# Altium PCB Power Distribution Board.PcbDoc (part 1 of 2)
Units mm, origin at the board's own origin, x right, y up, seen from the top; angles counter-clockwise.
Board outline 180 x 110 mm, 4 copper layers (Top Layer, L2-Ground, L3-Ground, Bottom Layer), stack 1.57 mm thick; 179 components, 104 nets, 579 pads, 258 vias.
Unrouted connection lines stored in the file: 42.
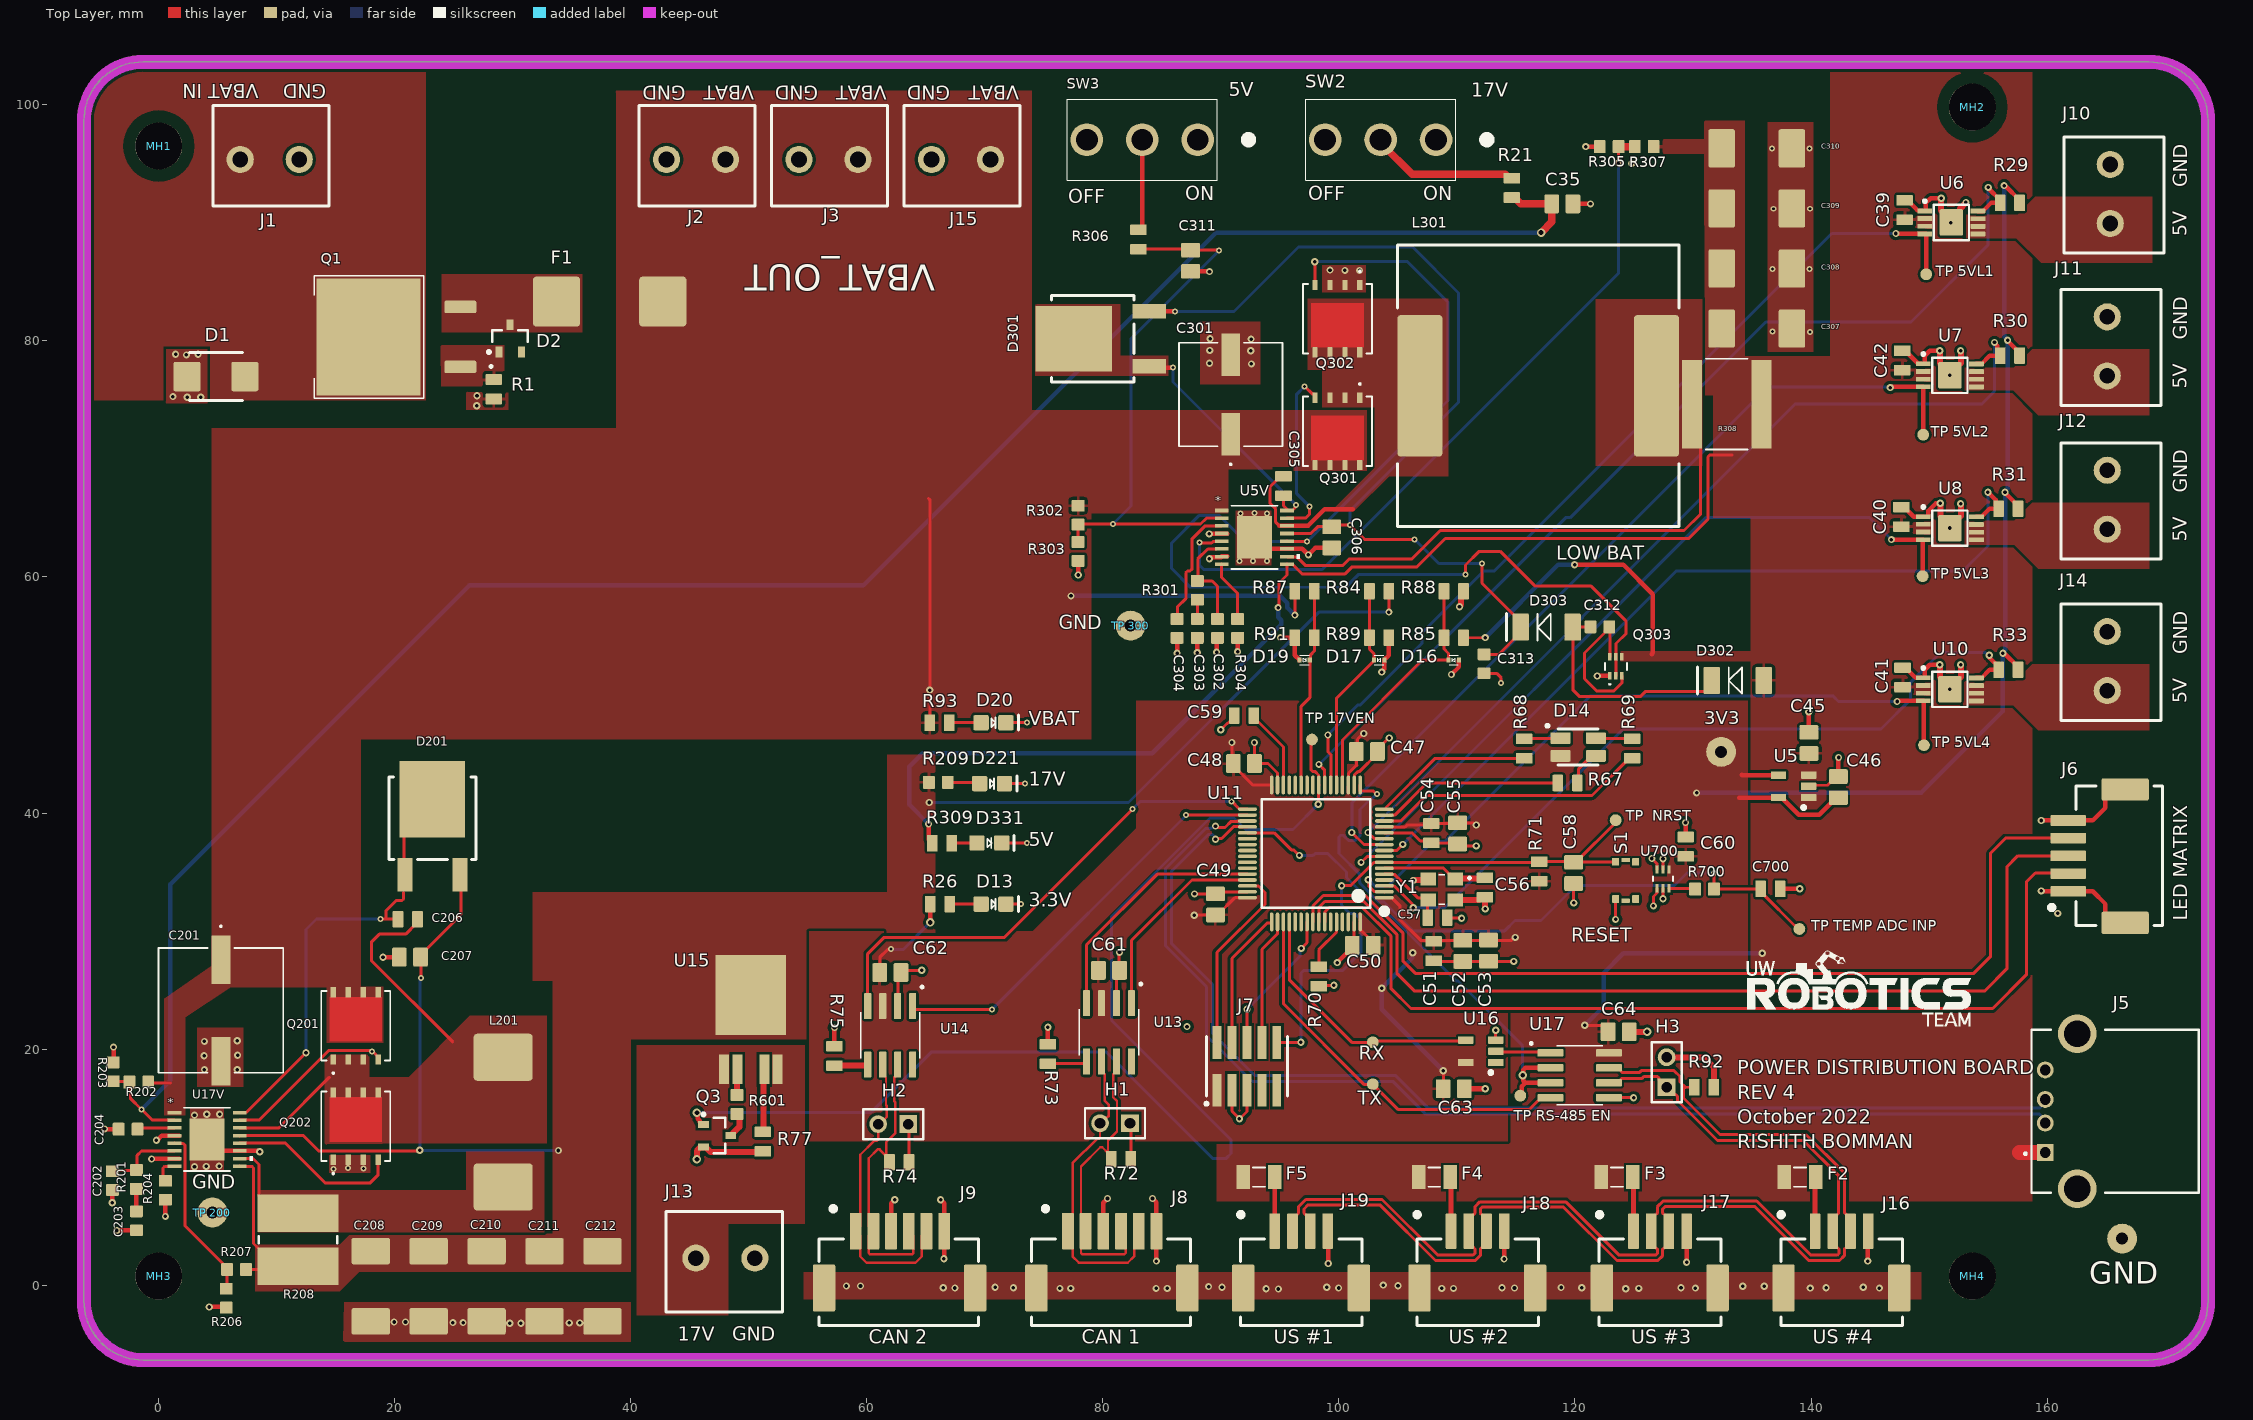
[diagram p0: Top Layer view]
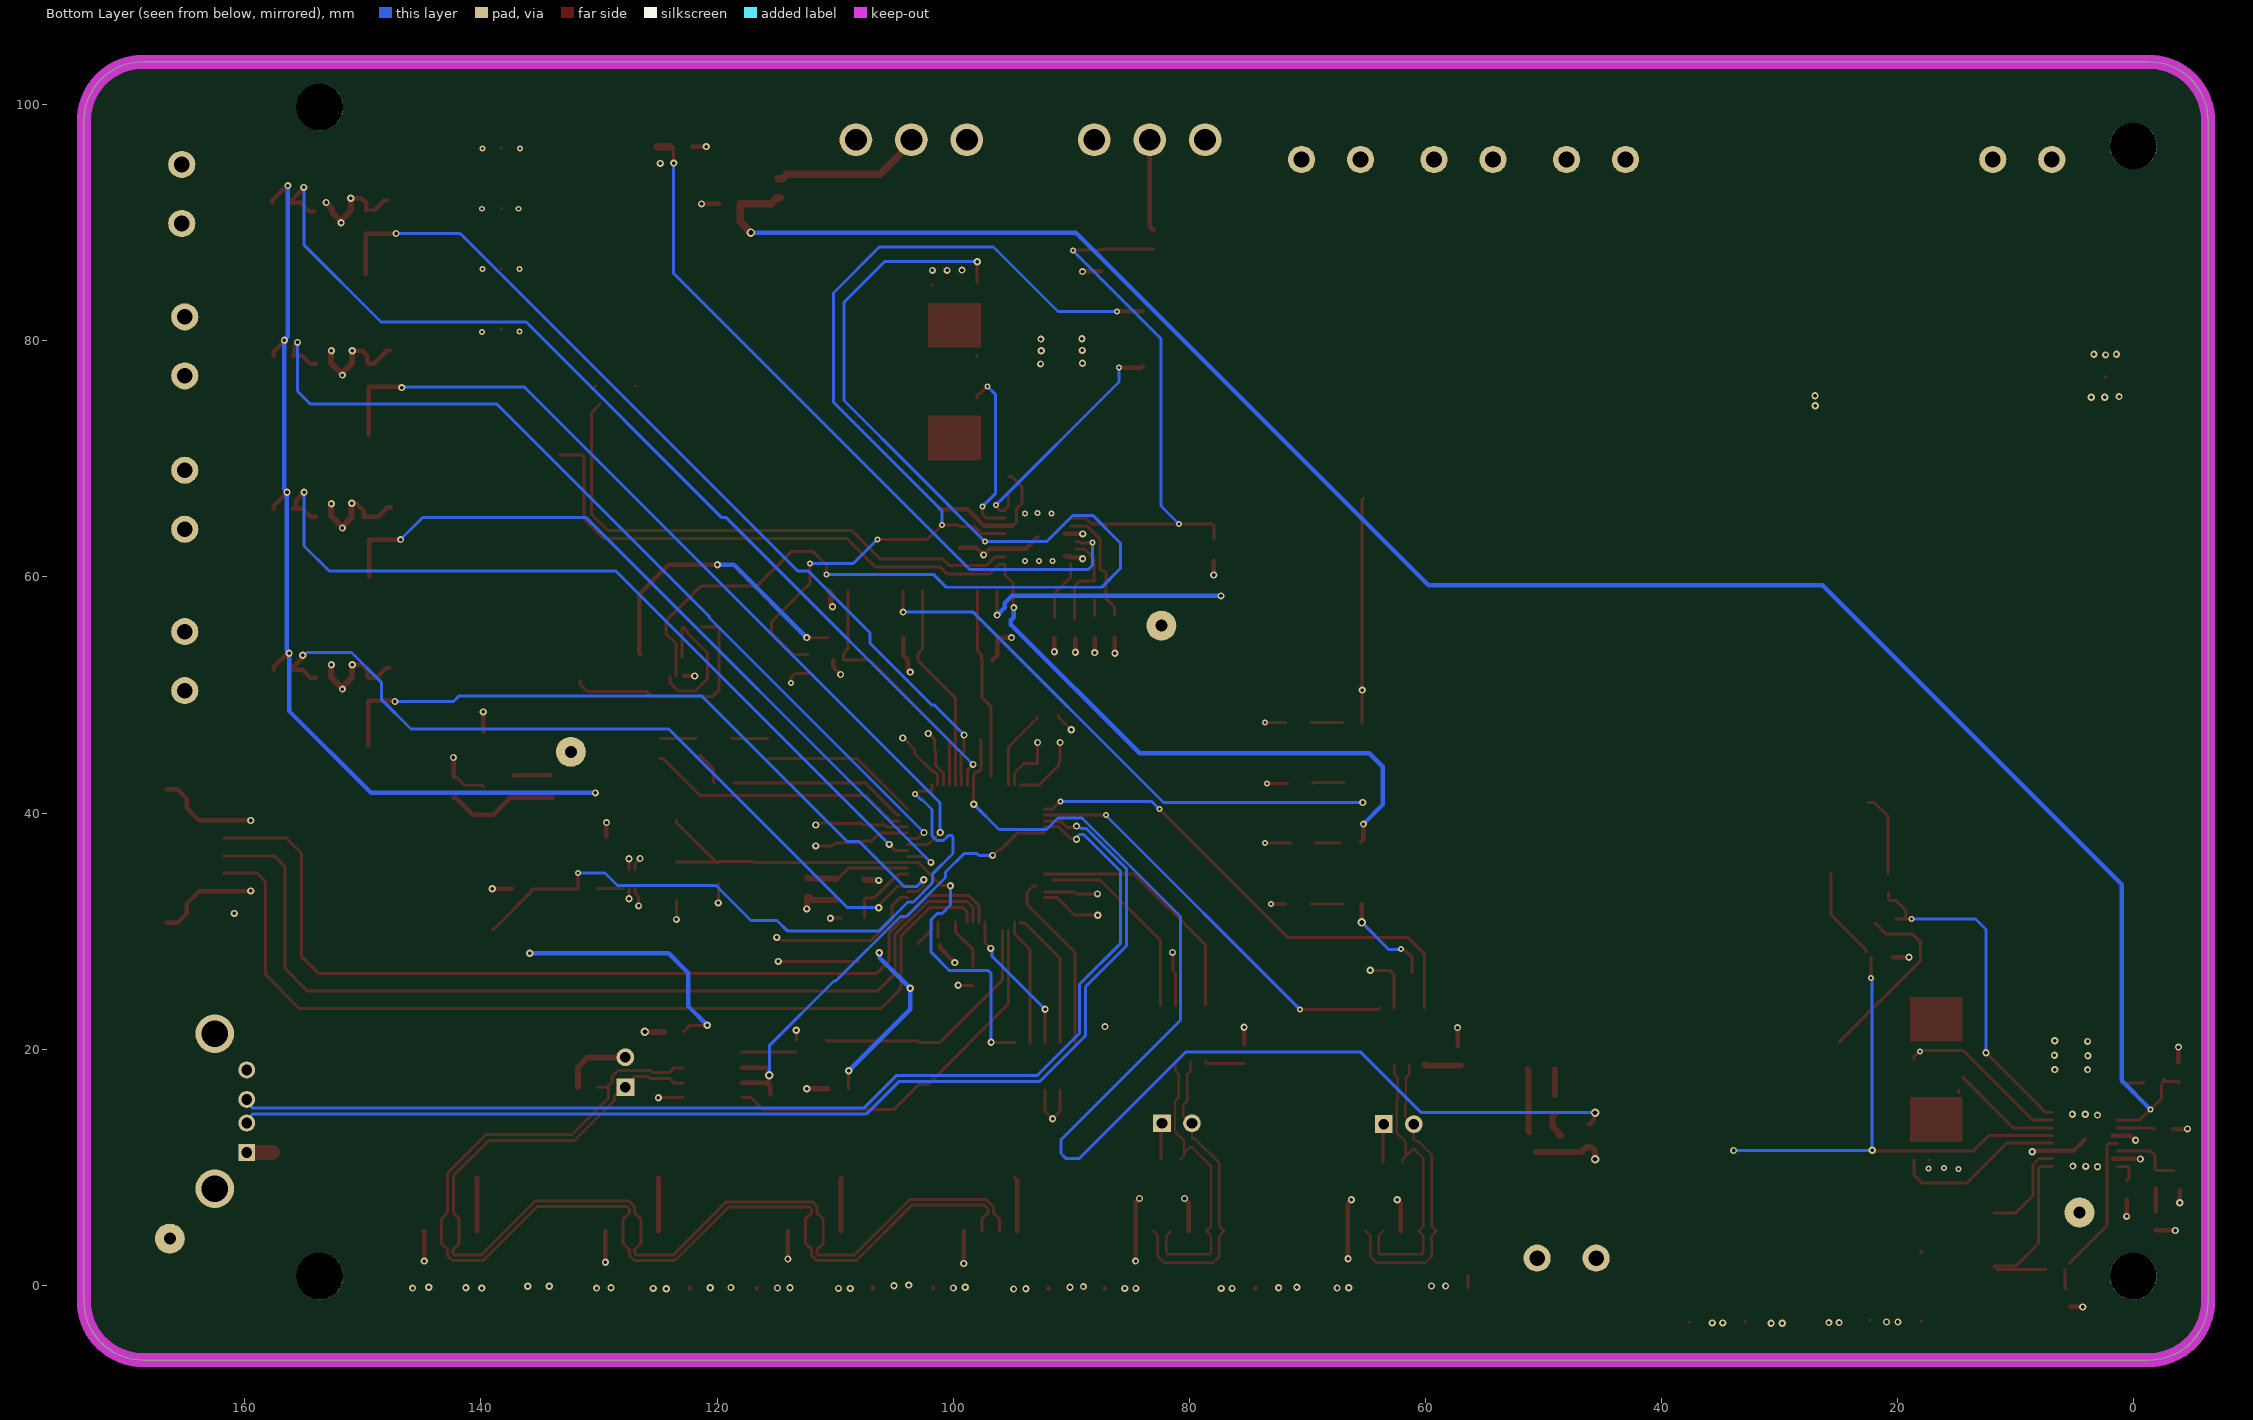
[diagram p1: Bottom Layer view, seen from below]
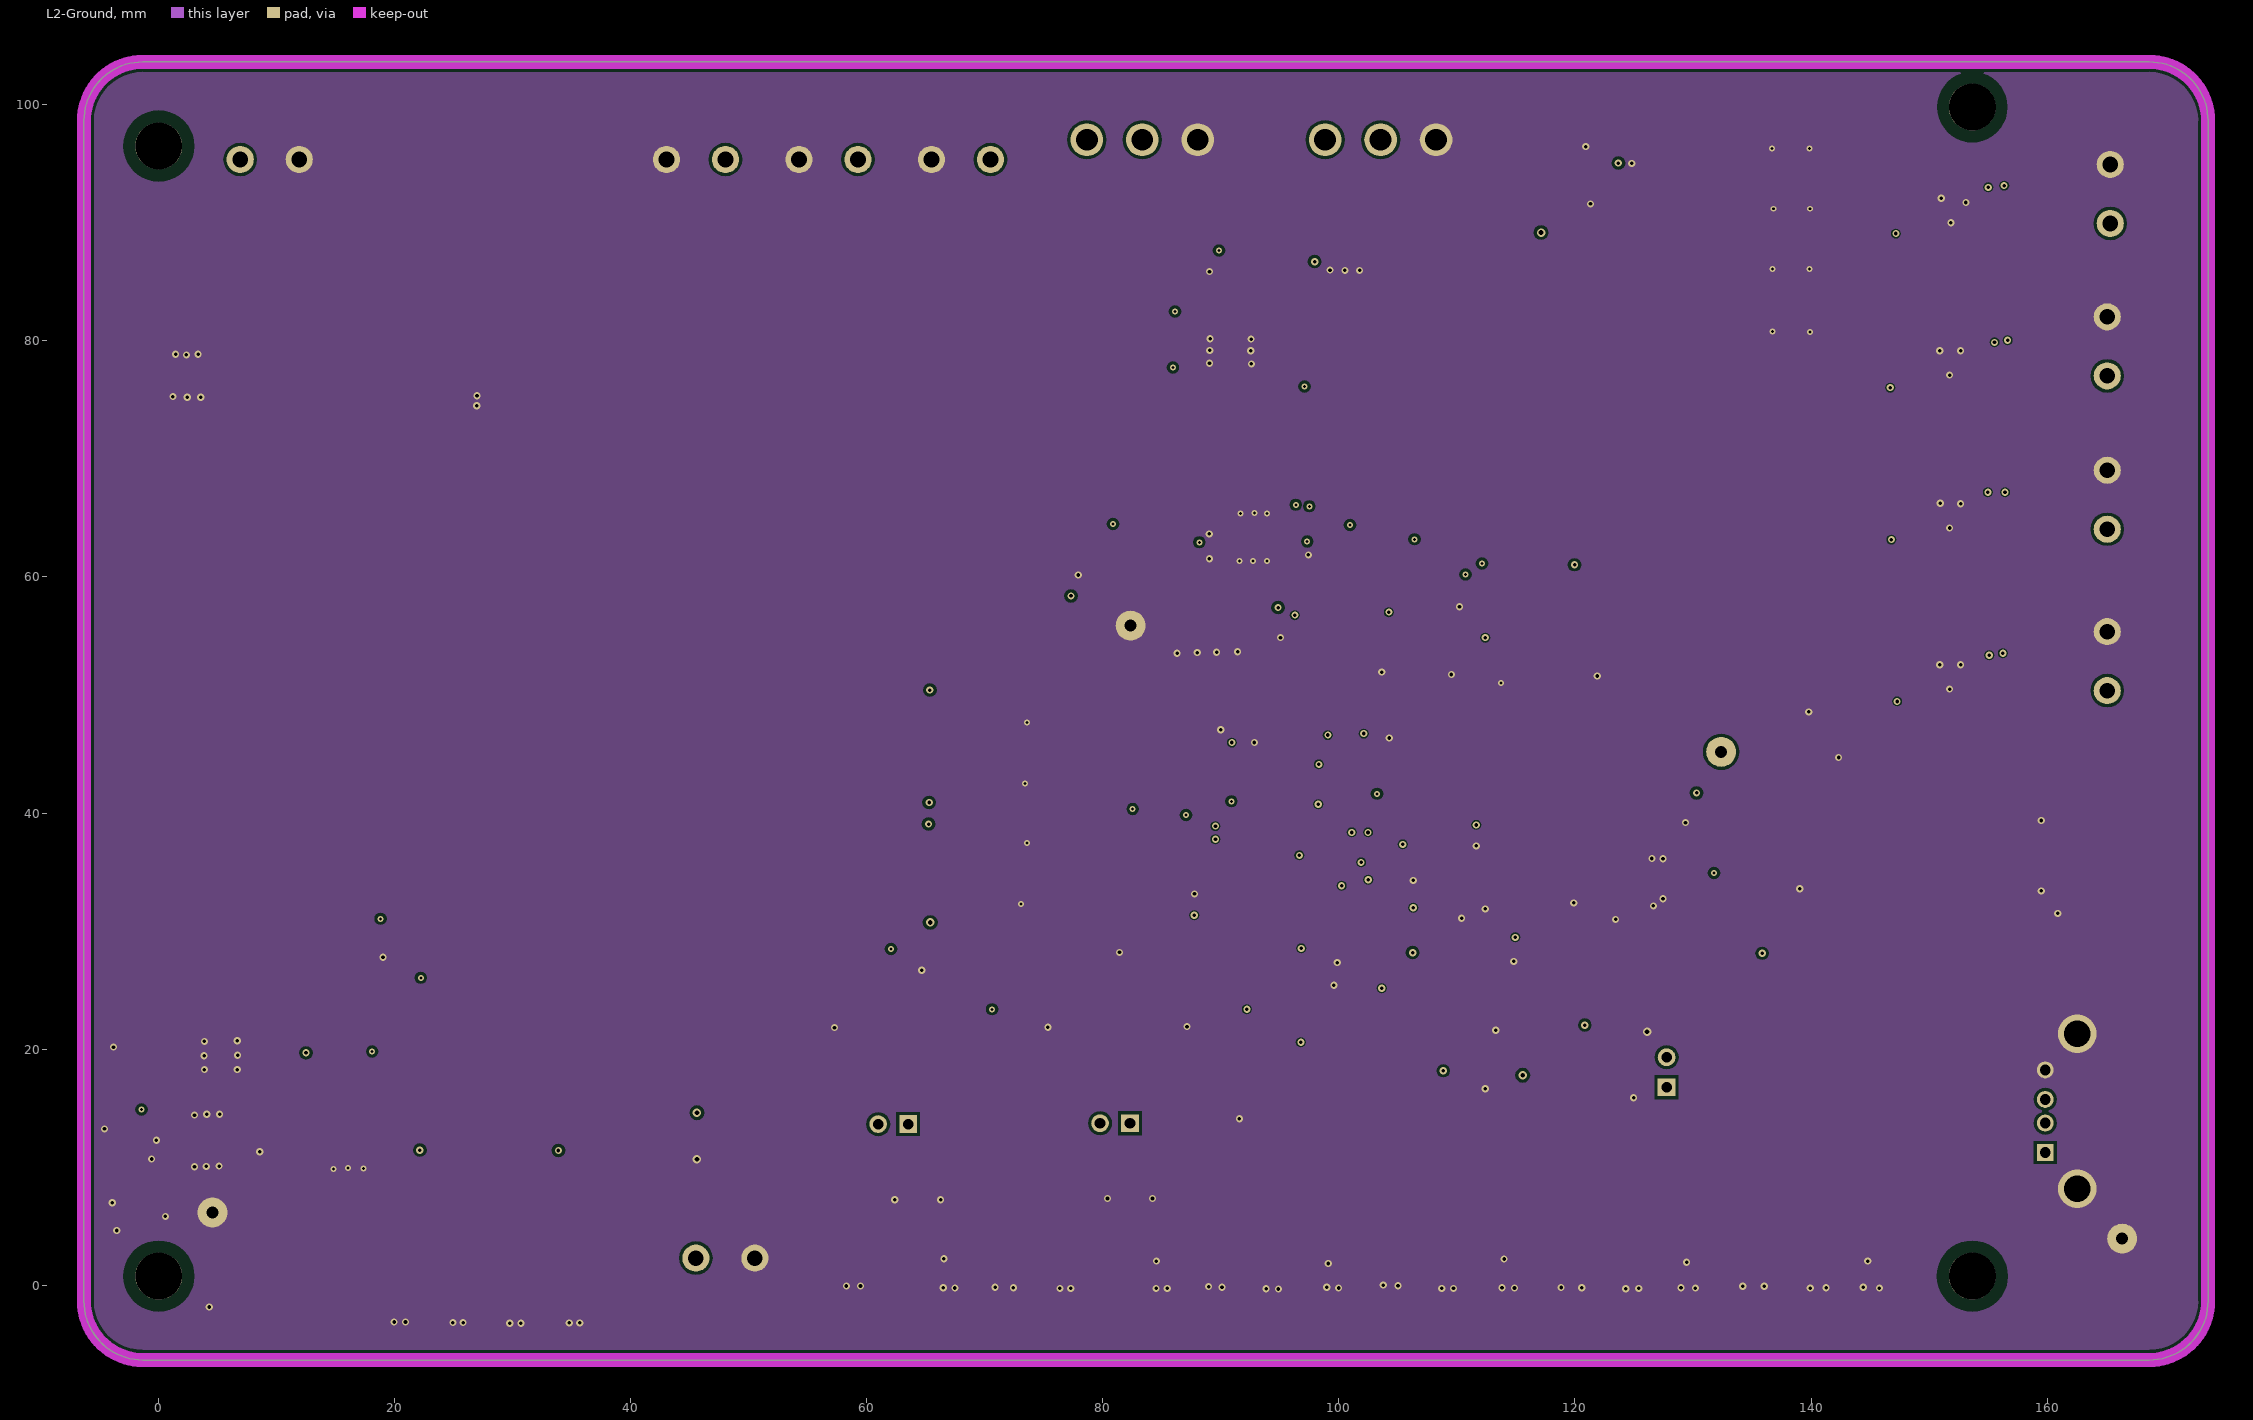
[diagram p2: L2-Ground]
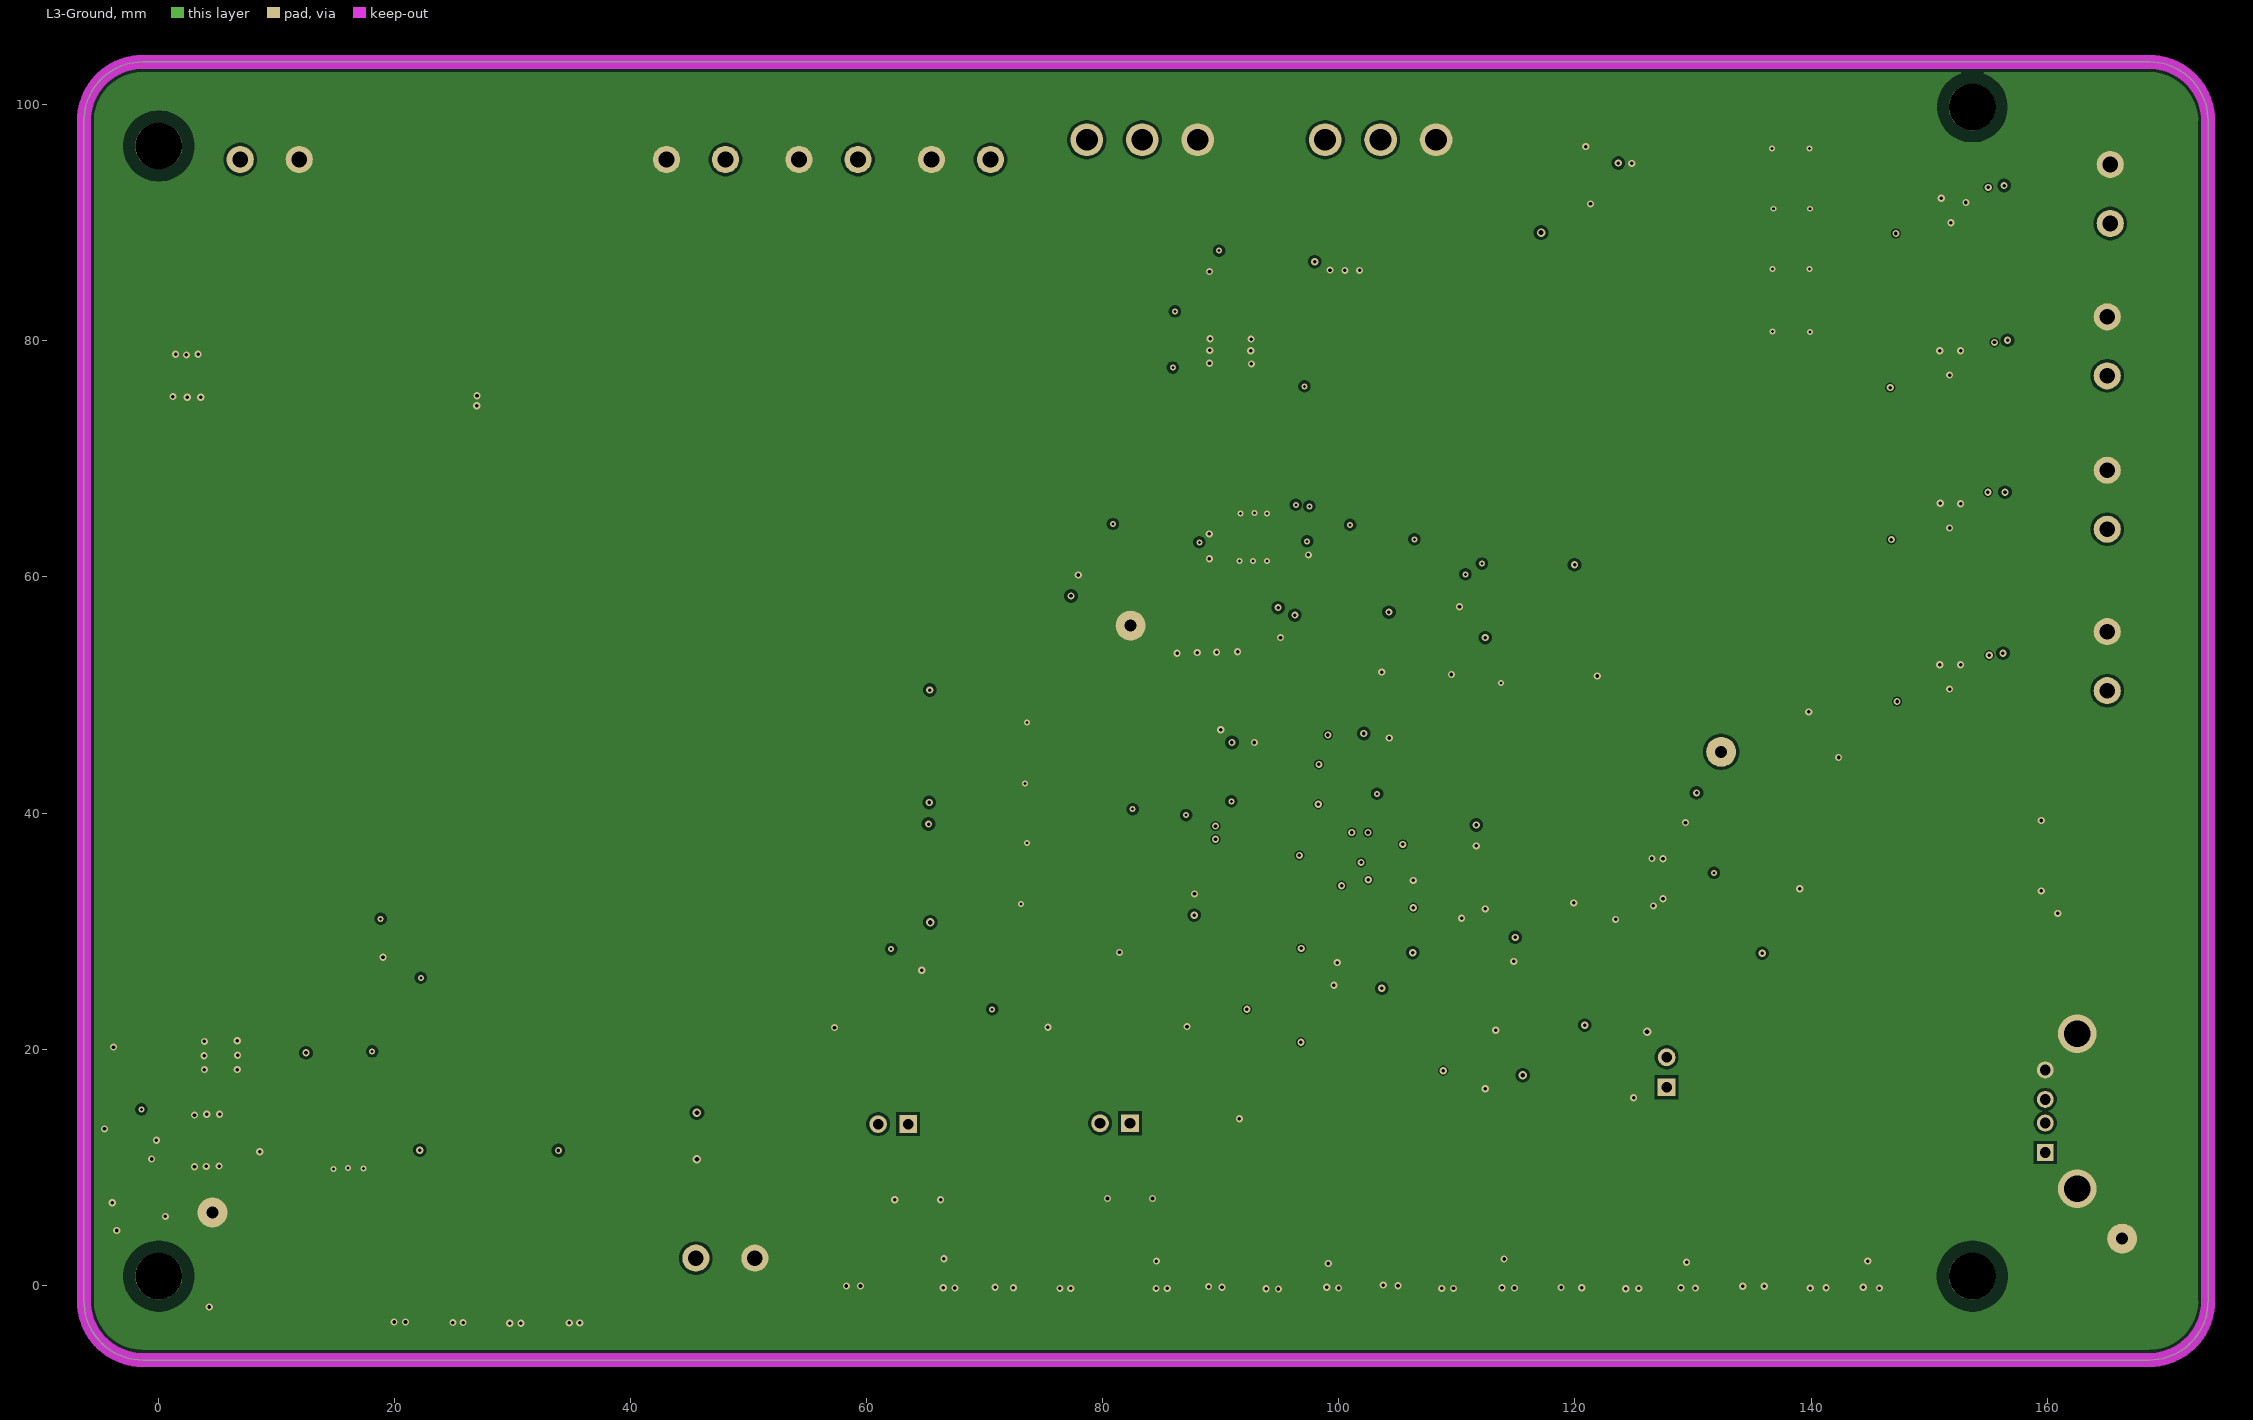
[diagram p3: L3-Ground]
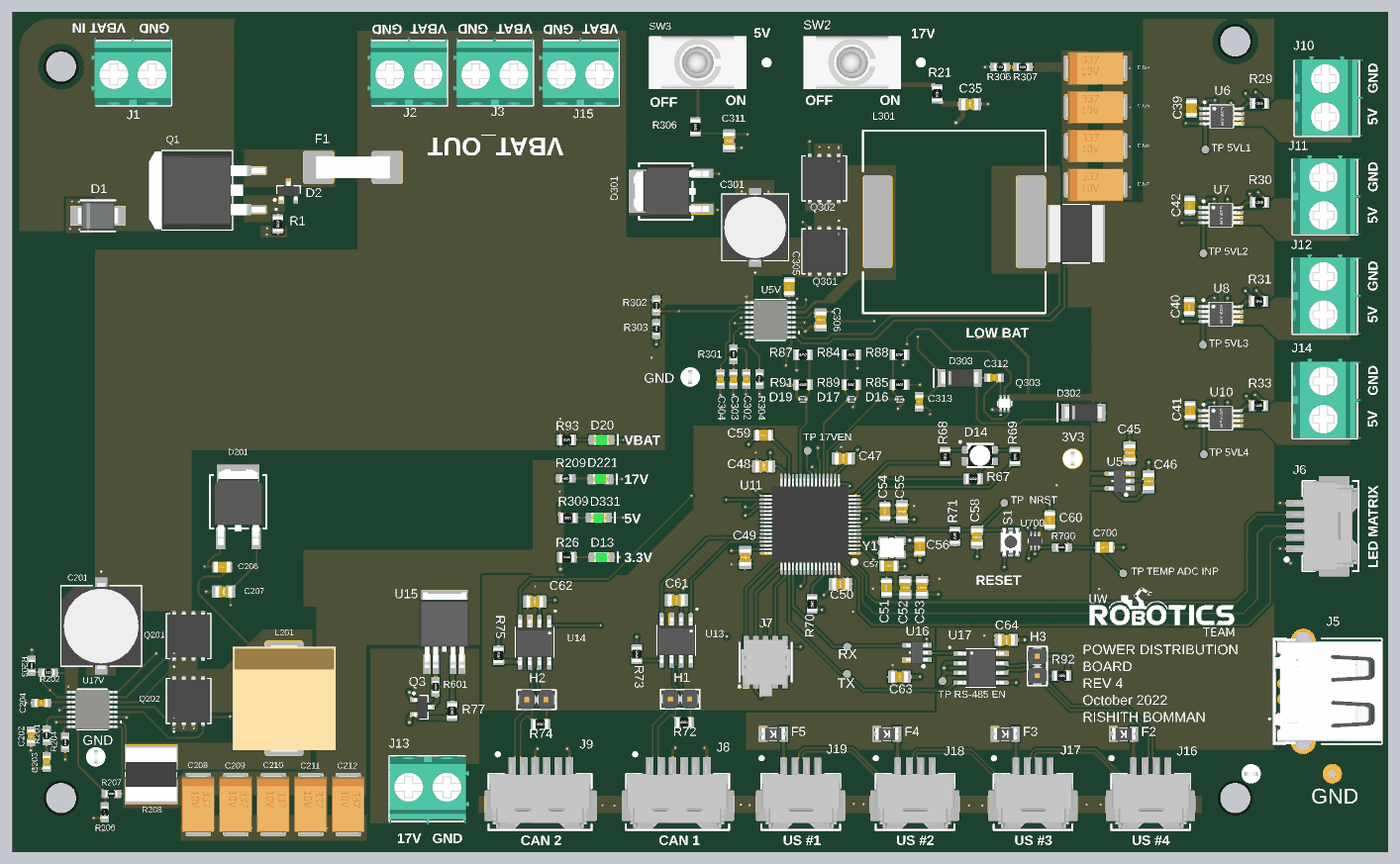
[diagram p5: 3D render of the assembled board from above, using the file's embedded part models]

## Layer stack, top to bottom
Top Solder: solder mask 0.0127, Solder Resist, Dk 3.8
Top Layer: signal copper 0.035
Dielectric 1: prepreg 0.2, 7628, Dk 4.6
L2-Ground: signal copper 0.0175
Core: core 1.065, FR-4, Dk 4.5
L3-Ground: signal copper 0.0175
Dielectric 2: prepreg 0.2, 7628, Dk 4.6
Bottom Layer: signal copper 0.035
Bottom Solder: solder mask 0.0127, Solder Resist, Dk 3.8

## Board outline
-6.348,-1.348 -6.348,98.65 cw(c-1.348,98.65) -1.348,103.65 168.65,103.65 cw(c168.65,98.65) 173.65,98.65 173.65,-1.348 cw(c168.65,-1.348) 168.65,-6.348 -1.348,-6.348 cw(c-1.348,-1.348)

## Design rules (kind name [scope] priority, off if disabled: settings)
BoardOutlineClearance [All] p1: gap=0.508 ignorepadtopadclearanceinfootprint=FALSE except(0.127: Text-OutlineEdge Text-CavityEdge Text-CutoutEdge Text-SplitBarrior Text-SplitContinuation; 0.635: Track-OutlineEdge Track-CavityEdge Track-CutoutEdge Track-SplitBarrior Track-SplitContinuation)
Clearance Clearance_mounting [(InComponent('MH1') OR InComponent('MH2') OR InComponent('MH3') OR InComponent('MH4'))] p1: gap=1.016 ignorepadtopadclearanceinfootprint=TRUE
Clearance "High Voltage Internal" [InNetClass('High_Voltage_Internal')  and OnLayer('Power')] p2: gap=0.508 ignorepadtopadclearanceinfootprint=TRUE
Clearance "High Voltage External" [InNetClass('High_Voltage')  and OnLayer('Signal')] p3: gap=0.305 ignorepadtopadclearanceinfootprint=TRUE
Clearance Clearance_1 [All] p4: gap=0.254 ignorepadtopadclearanceinfootprint=TRUE except(0: Arc-Text Track-Text; 0.127: Track-Track SMDPad-SMDPad Text-Text; 0.178: SMDPad-Region; 0.203: Arc-Arc Arc-Track Arc-SMDPad Track-SMDPad Track-Region SMDPad-THPad SMDPad-Fill SMDPad-Poly SMDPad-Text Region-Region; 0.508: THPad-THPad Via-Via)
ComponentClearance [All] p1: gap=0.254 collisioncheckmode=3 verticalgap=5.08 showdistances=FALSE
DiffPairsRouting [InDifferentialPairClass('CANBUS120')] p1: maxlimit=0.508 minlimit=0.203 mostfreqgap=0.254 toplayer_mingap=0.508 toplayer_prefgap=0.508 toplayer_minwidth=0.203 toplayer_maxwidth=0.203 toplayer_prefwidth=0.203 impedanceprofiledriven=TRUE impedanceprofileid={4CE2BA0C-8610-4AF6-9104-F98BE8B16325} impedanceprofilevalue=120.000000 maxuncoupledlength=12.7
Height [All] p1: minheight=0 maxheight=1270 prefheight=12.7
HoleSize [All] p1: absolutevalues=TRUE maxlimit=5.08 minlimit=0.254 maxpercent=80.000 minpercent=20.000
HoleToHoleClearance [All] p1: gap=0.508 allowstackedmicrovias=TRUE
MatchedLengths [InDifferentialPairClass('CANBUS120')] p1: tolerance=1.27 checknetsindiffpair=TRUE checkdiffpairvsdiffpair=FALSE checkxsignals=FALSE checkothers=FALSE
MinimumAnnularRing [All] p1: minimumring=0.127
MinimumSolderMaskSliver [All] p1: minsoldermaskwidth=0.076
PolygonConnect PolygonConnect_reliefs [(HasFootprint('CAP0805') OR HasFootprint('CAP0603') OR HasFootprint('RES0603') OR HasFootprint('RES0805') OR HasFootprint('CAP2012') OR HasFootprint('SOD-923') OR HasFootprint('SOD-128'))] p1: thpad.connectstyle=Relief thpad.reliefconductorwidth=0.254 thpad.reliefentries=4 thpad.polygonreliefangle="90 Angle" thpad.airgapwidth=0.254 smdpad.connectstyle=Relief smdpad.reliefconductorwidth=0.254 smdpad.reliefentries=4 smdpad.polygonreliefangle="90 Angle" smdpad.airgapwidth=0.254 via.connectstyle=Direct via.reliefconductorwidth=0.254 via.reliefentries=4 via.polygonreliefangle="45 Angle" via.airgapwidth=0.254
PolygonConnect PolygonConnect_Via [IsVia] p2: connectstyle=Direct reliefconductorwidth=0.254 reliefentries=4 polygonreliefangle="90 Angle" airgapwidth=0.254
PolygonConnect [All] p3: connectstyle=Direct reliefconductorwidth=0.254 reliefentries=4 polygonreliefangle="90 Angle" airgapwidth=0.254
RoutingVias [All] p1: holewidth=0.305 width=0.61 viastyle="Through Hole" minholewidth=0.152 minwidth=0.305 maxholewidth=0.61 maxwidth=1.27
SilkToSilkClearance [All] p1: silktosilkclearance=0.051
SilkToSolderMaskClearance [IsPad] p1: minsilkscreentomaskgap=0.013 clearancetoexposedcopper=TRUE
SolderMaskExpansion [All] p1: expansion=0.051 istentingtop=FALSE
Width Width_1 [All] p1: maxlimit=2.54 minlimit=0.127 preferedwidth=0.254 midlayer1_maxwidth=0.254 minimp=50.000000 maximp=50.000000 favimp=50.000000
22 further rules are at their usual default settings.

## Classes and differential pairs
differential pair class CANBUS120: CANA CANB
component class "SH9 - RS-485": C63 C64 F2 F3 F4 F5 H3 J16 J17 J18 J19 R92 RX TP13 TP14 TP21 "TP RS-485 EN" TX U16 U17
component class "SH8 - CAN": C61 C62 H1 H2 J8 J9 R72 R73 R74 R75 U13 U14
component class "SH7 - MICROCONTROLLER": C47 C48 C49 C50 C51 C52 C53 C54 C55 C56 C57 C58 C59 C60 C700 D14 J5 J6 J7 MH1 MH2 MH3 MH4 R67 R68 R69 R70 R71 R700 S1 "TP  NRST" "TP TEMP ADC INP" U11 U700 Y1
component class "SH6 - LOAD MONITORING 2": D16 D17 D19 J10 J11 J12 J13 J14 J15 Q3 R77 R84 R85 R87 R88 R89 R91 R601 "TP 17VEN" U15
component class "SH5 - LOAD MONITORING 1": C39 C40 C41 C42 EN1 R29 R30 R31 R33 "TP 5VL1" "TP 5VL2" "TP 5VL3" "TP 5VL4" U6 U7 U8 U10
component class "SH4 - 3.3V LINEAR REGULATOR": 3V3 C45 C46 D13 GND R26 TP11 TP12 U5
component class "SH3 - 5V BUCK CONVERTER": C301 C302 C303 C304 C305 C306 C307 C308 C309 C310 C311 C312 C313 D301 D302 D303 D331 L301 Q301 Q302 Q303 R301 R302 R303 R304 R305 R306 R307 R308 R309 SW3 "TP 300" U5V
component class "SH2 - 17V BUCK CONVERTER": C35 C201 C202 C203 C204 C205 C206 C207 C208 C209 C210 C211 C212 D201 D221 L201 Q201 Q202 R21 R201 R202 R203 R204 R205 R206 R207 R208 R209 SW2 "TP 200" U17V
component class "SH1 - POWER": D1 D2 D20 F1 J1 J2 J3 Q1 R1 R93
differential pair USB: +USB_P -USB_N
differential pair CANB: +CANB_P -CANB_N
differential pair CANA: +CANA_P -CANA_N
differential pair RS-485: +RS-485_P -RS-485_N
